# Altium PCB motordriver-v5.1.PcbDoc (part 5 of 8) (continued)
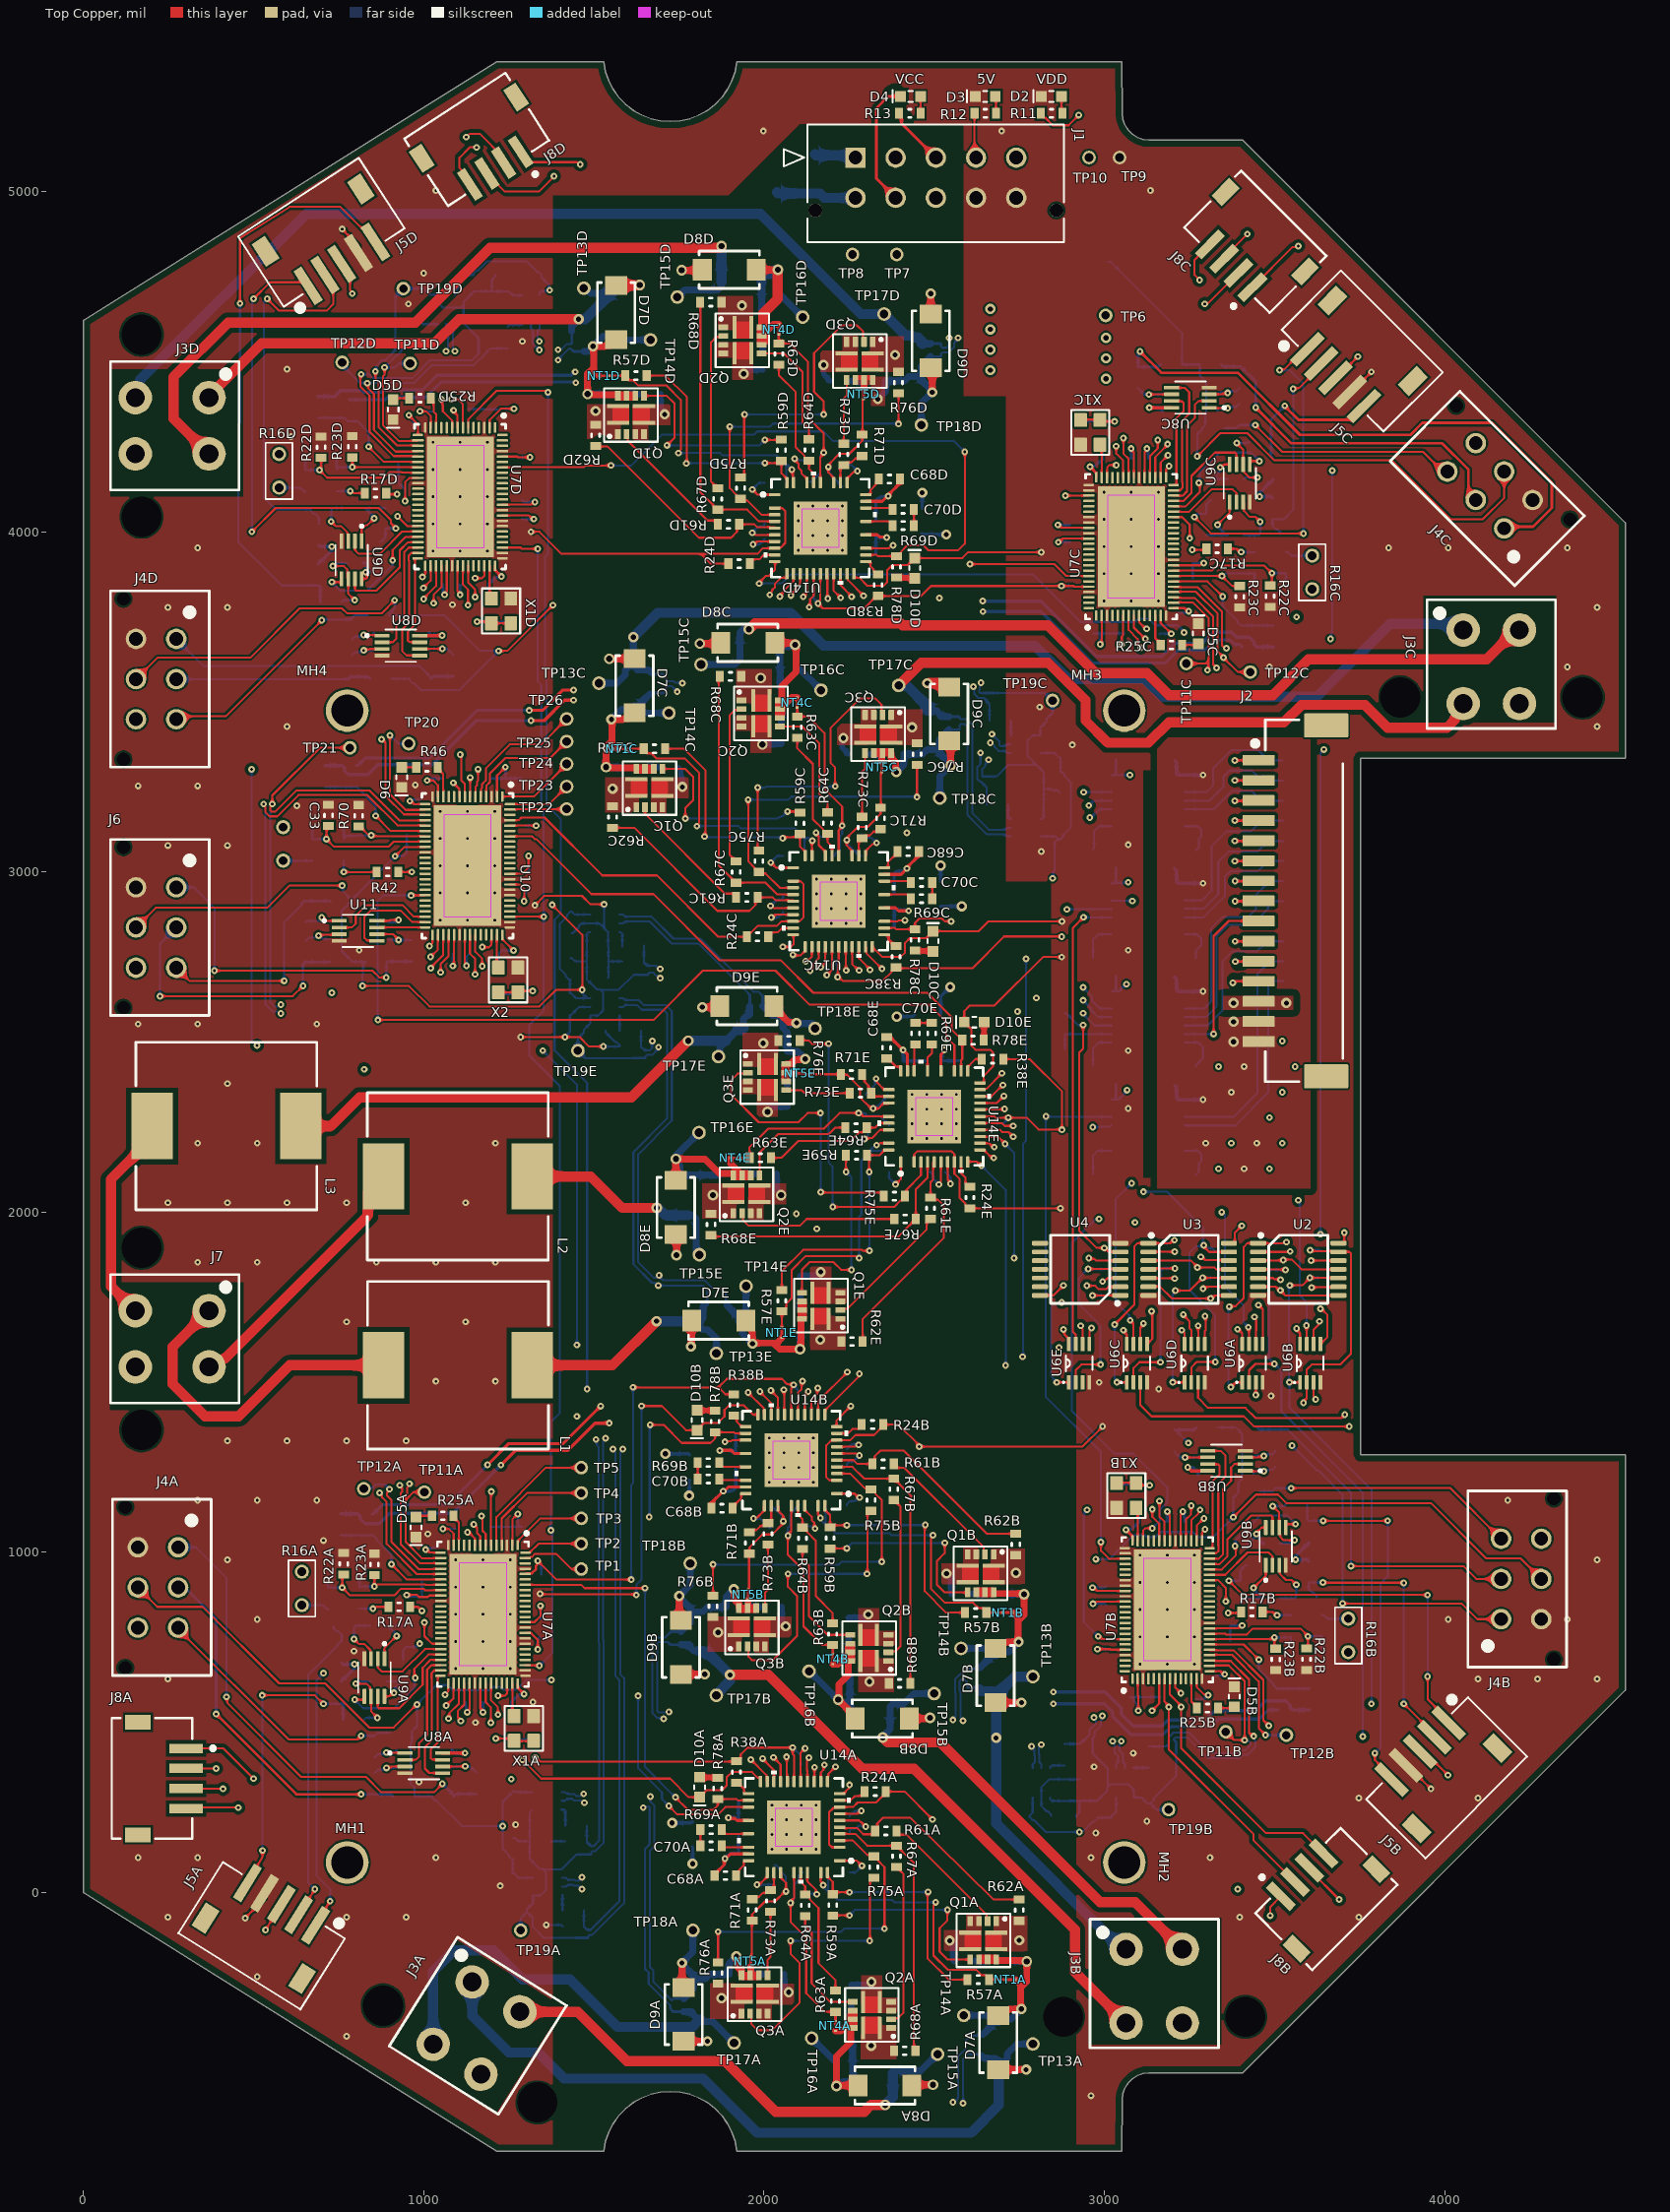
[diagram p0: Top Copper view]
## Nets (pads, with @x,y where several pads share a name; then routed paths per layer and width w, separated by ;. In a path a pad name is that pad's centre, name@x,y a point inside that pad or via, vN(x,y) a via of type N, cw(c..) or ccw(c..) an arc to the next point about the centre after c; other vN are vias at no path point) (continued)
LSWB: R75B.2 R76B.2 U14B.3 | length 940
  Top Copper w6: R76B.2@1850,872.99 1850.12,873.11 v1(1850.12,964.81) ; U14B.3@2214.04,1231.77 2253.15,1231.77 2295.71,1189.22 2314.65,1189.22 2318.59,1185.28 2326.9,1176.97 2326.9,1173.03 2346.15,1153.78 v1(2346.15,972.68)
  Bottom Copper w6: v1(1850.12,964.81) 1851.26,963.66 2219.02,963.66 2228.04,972.68 v1(2346.15,972.68)
LSWC: R75C.2 R76C.2 U14C.3 | length 942.9
  Top Copper w6: v1(1953.47,3212.52) 1953.47,3031.41 1972.73,3012.16 1972.73,3008.22 1981.03,2999.92 1984.98,2995.98 2003.92,2995.98 2046.47,2953.42 U14C.3@2085.59,2953.42 ; v1(2449.51,3220.39) 2449.51,3314.51 R76C.2@2450,3315
  Bottom Copper w6: v1(1953.47,3212.52) 2071.58,3212.52 2080.6,3221.53 2448.36,3221.53 v1(2449.51,3220.39)
LSWD: R75D.2 R76D.2 U14D.3 | length 938.2
  Top Copper w6: v1(1899.37,4309.2) 1899.37,4128.1 1918.62,4108.84 1918.62,4104.91 1926.93,4096.6 1930.87,4092.66 1949.81,4092.66 1992.36,4050.1 U14D.3@2031.48,4050.1 ; R76D.2@2395,4407.01 2395.4,4406.61 v1(2395.4,4317.07)
  Bottom Copper w6: v1(1899.37,4309.2) 2017.48,4309.2 2026.49,4318.21 2394.26,4318.21 v1(2395.4,4317.07)
LSWE: R75E.2 R76E.2 U14E.3 | length 921.4
  Top Copper w6: R76E.2@2105,2505 2131.26,2505 2141.26,2495 v1(2190,2495) ; v1(2201.86,2015.45) 2382.96,2015.45 2402.21,2034.7 2406.15,2034.7 2414.46,2043.01 2418.4,2046.95 2418.4,2065.89 2460.95,2108.44 U14E.3@2460.95,2147.56
  Bottom Copper w6: v1(2190,2495) 2190,2145.41 2201.86,2133.56 v1(2201.86,2015.45)
MISO: J2.9 U5A.6 | length 523.2
  Top Copper w6: v1(3321.26,2523.74) 3321.26,2811.26 3366,2856 J2.9@3453.18,2856
  Bottom Copper w6: U5A.6@3236.06,2523.74 v1(3321.26,2523.74)
MISO_CTRL0: U2.2 U7A.9 | length 3495.2
  Top Copper w6: v1(1128.58,1059.36) 1131.2,1056.74 1135.15,1056.74 1150.29,1041.6 1150.29,1021.11 U7A.9@1150.45,1020.95 ; U2.2@3451.88,1883.25 3535.63,1883.25 3535.99,1883.61 3545.08,1883.61 v1(3546.1,1884.63)
  Signal Layer 2 w6: v1(1128.58,1059.36) 1289.54,1059.36 1367.3,1137.13 2925.48,1137.13 2928.61,1140.26 2963.15,1174.8 3449.8,1174.8 3650,1375 3650,1580 3659,1589 3659,1724.65 3644.57,1739.08 3510.79,1739.08 3494.68,1755.19 3494.68,1860.6 3520.31,1886.23 3544.5,1886.23 v1(3546.1,1884.63)
MISO_CTRL1: U2.9 U7B.9 | length 1581.1
  Top Copper w6: U7B.9@3208.53,629 3208.53,602.72 v1(3224.94,586.31) ; v1(3609.26,1777.97) 3610.71,1779.43 3686.64,1779.43 U2.9@3688.1,1780.89
  Signal Layer 2 w6: v1(3224.94,586.31) 3266.31,586.31 3305,625 3305,996.25 3668.15,1359.4 3668.15,1551.77 3674.5,1558.12 3674.5,1750.5 3646.67,1778.33 3609.61,1778.33 v1(3609.26,1777.97)
MISO_CTRL2: U3.2 U7C.9 | length 3005.4
  Top Copper w6: U7C.9@3102.53,3753.9 3102.69,3753.73 3102.69,3733.24 3120.94,3715 v1@3124.2,3715 ; U3.2@3129.88,1883.25 3130.17,1883.54 3206.82,1883.54 v1(3207.11,1883.83)
  Signal Layer 2 w6: v1(3124.4,3715) 3161.94,3715 3173.91,3726.97 3659.68,3726.97 3688.84,3697.8 3688.84,2023.84 3630,1965 3455,1965 3426.53,1936.53 3388.47,1936.53 3380,1945 3195,1945 3175,1925 3175,1905 3183.94,1896.06 3192.69,1896.06 3204.92,1883.83 v1(3207.11,1883.83)
MISO_CTRL3: U3.9 U7D.9 | length 5116
  Top Copper w6: v1(1052.03,4389.39) 1054.65,4386.77 1054.65,4380.28 1054.78,4380.15 1054.78,4373.79 1056.16,4372.41 1056.16,4354 1083.61,4326.55 1083.61,4306.11 U7D.9@1083.45,4305.95 ; v1(3290,1775) 3295.89,1780.89 U3.9@3366.1,1780.89
  Signal Layer 1 w6: v1(1052.03,4389.39) 1011.83,4349.19 1011.83,4338.81 810.6,4137.58 810.6,4112.96 779,4081.35 779,4011 852.42,3937.58 852.42,3212.42 823.07,3183.07 823.07,2796.93 845,2775 845,2675 855,2665 855,2608.01 825,2578.01 v1(825,2420) 1300.5,1944.5 1868.58,1944.5 1900.18,1912.9 2357.1,1912.9 2565,1705 2975,1705 3016.19,1746.19 3217.71,1746.19 3246.52,1775 v1(3290,1775)
MISO_CTRL4: U4.2 U10.9 | length 3450.8
  Top Copper w6: v1(1086.92,3261.81) 1104.73,3244 1104.73,3221.27 U10.9@1104.89,3221.11 ; v1(2948.41,1783.89) 2973.16,1783.89 2983.42,1773.63 3004.46,1773.63 3011.71,1780.89 U4.2@3047.1,1780.89
  Signal Layer 1 w6: v1(1086.92,3261.81) 1085.92,3262.81 1047.81,3262.81 890,3105 890,2790 920,2760 920,2574.62 905.38,2560 905.38,2409.62 1355,1960 1875,1960 1906.6,1928.4 2386.6,1928.4 2552.77,1762.23 2890.29,1762.23 2911.95,1783.89 v1(2948.41,1783.89)
MISO_DRV0: U2.5 U14A.13 | length 3381.1
  Top Copper w6: U14A.13@2147.11,326.26 2147.91,327.06 2147.91,367.7 v1(2148.7,368.5) ; U2.5@3451.88,1806.48 3496.12,1806.48 3499.12,1803.48 3515.95,1803.48 v1(3517.96,1801.47)
  Signal Layer 2 w6: v1(2148.7,368.5) 2148.34,368.14 2148.34,346.66 2160,335 2227.02,335 2237.02,345 3478.81,345 3617.02,483.21 3753.21,483.21 3810,540 3810,1196.9 3683.65,1323.25 3683.65,1545.35 3690,1551.7 3690,1775 3634.97,1830.03 3570.03,1830.03 3547.43,1807.43 3535.31,1807.43 3531.97,1804.09 3520.58,1804.09 v1(3517.96,1801.47)
MISO_DRV1: U2.12 U14B.13 | length 1904.2
  Top Copper w6: U14B.13@2139.24,1405 2139.24,1449.24 2156.23,1466.23 2156.23,1481.23 v1(2157.89,1482.89) ; v1(3607.66,1857.66) U2.12@3688.1,1857.66
  Signal Layer 1 w6: v1(2157.89,1482.89) 2171.22,1469.56 2175.44,1469.56 2205,1440 2232.7,1440 2245.54,1452.84 2264.46,1452.84 2277.3,1440 3284.27,1440 3465.11,1620.84 3484.43,1620.84 3632.36,1768.77 3632.36,1832.96 v1(3607.66,1857.66)
MISO_DRV2: U3.5 U14C.13 | length 2126.9
  Top Copper w6: v1(2135.62,2709.14) 2135.62,2712.84 2143.95,2721.17 2143.95,2729.66 2160.39,2746.1 U14C.13@2160.39,2780.19 ; U3.5@3129.88,1806.48 3130.25,1806.1 3205.82,1806.1 v1(3206.77,1805.15)
  Signal Layer 1 w6: v1(2155,1951.24) 2403.76,1951.24 2546.26,1808.74 2964.51,1808.74 2978.09,1822.33 3007.67,1822.33 3024.85,1805.15 v1(3206.77,1805.15)
  Signal Layer 2 w6: v1(2135.62,2709.14) 2135.62,2634.38 2225,2545 2225,2460 2130,2365 2130,1976.24 v1(2155,1951.24)
MISO_DRV3: U3.12 U14D.13 | length 3709.9
  Top Copper w6: v1(2079.22,3812.95) 2079.22,3816.65 2090.6,3828.03 2090.6,3832.45 2106.28,3848.13 U14D.13@2106.28,3876.88 ; v1(3283.79,1868.93) 3287.49,1868.93 3296.85,1859.57 3364.19,1859.57 U3.12@3366.1,1857.66
  Signal Layer 1 w6: v1@2077.5,3811.23 v1(2079.22,3812.95) ; v1(2095,1995) 2115,1975 2480,1975 2510,1945 3211.26,1945 3283.79,1872.48 v1(3283.79,1868.93)
  Signal Layer 2 w6: v1(2079.22,3812.95) 2048.45,3843.71 2013.61,3843.71 1994.28,3824.38 1994.28,3824.28 1990,3820 1900,3820 1665,3585 1665,3450 1920,3195 1920,2325 2095,2150 v1(2095,1995)
MISO_DRV4: U4.5 U14E.13 | length 745.6
  Top Copper w6: U14E.13@2634.18,2222.36 2635.06,2221.48 2688.52,2221.48 2708.51,2201.49 v1(2708.51,2200.84) ; v1(2954.11,1865.21) 2956.73,1862.59 2971.02,1862.59 2975.95,1857.66 U4.5@3047.1,1857.66
  Signal Layer 1 w6: v1(2734.79,1865.21) v1(2954.11,1865.21)
  Bottom Copper w6: v1(2708.51,2200.84) 2734.79,2174.56 v1(2734.79,1865.21)
MISO_FILTER: C52C.2 R77C.1 U5A.11 | length 181.7
  Bottom Copper w6: C52C.2@2884,2478.5 R77C.1@2884,2522.01 2885.73,2523.74 U5A.11@3021.5,2523.74
MISO_ISO: J8A.3 J8B.3 J8C.3 J8D.3 R77C.2 U2.3 U2.6 U2.8 U2.11 U3.3 U3.6 U3.8 U3.11 U4.3 U4.6 | length 14973.8
  Top Copper w6: J8A.3@301.73,305.83 302.56,305 v1(410,305) ; J8D.3@1185.47,5052.84 1185.82,5052.84 1238.66,5000 1337.82,5000 v1(1382.82,5045) ; v1(2937.84,2550) 2937.84,2481.21 2926.16,2469.52 2926.16,1945.84 2977,1895 v1(3000,1895) 3001.1,1895 3012.81,1883.29 U4.6@3047.1,1883.25 U4.6@3047.1,1883.25 ; v1(2995,1796.48) 2998.7,1796.48 3005.04,1802.81 3005.89,1802.81 3009.56,1806.48 U4.3@3047.1,1806.48 ; U3.6@3129.88,1780.89 3130.99,1782 3163,1782 3198.64,1746.36 v1(3312.29,1746.36) 3316.27,1746.36 3325.21,1755.3 U3.8@3366.1,1755.3 ; U3.3@3129.88,1857.66 3254.65,1857.66 3258.62,1853.69 3273.58,1838.73 v1(3273.58,1837.75) 3274.33,1837 3323.85,1837 3328.79,1832.07 U3.11@3366.1,1832.07 ; J8C.3@3351.98,4802.58 3351.98,4806.98 v1(3420,4875) ; U2.6@3451.88,1780.89 3503.43,1780.89 3513.82,1770.5 v1@3516.5,1770.5 ; U2.3@3451.88,1857.66 3452.66,1858.44 3524.83,1858.44 v1(3525.61,1859.22) 3527.39,1861 3550,1861 3578.93,1832.07 U2.11@3688.1,1832.07 ; v1(3517.52,1770.5) v1@3516.5,1770.5 ; J8B.3@3602.58,73.02 3602.58,67.42 v1(3690,-20) ; U2.8@3688.1,1755.3 3618.88,1755.3 3618.72,1755.13 3531.87,1755.13 v1@3516.5,1770.5
  Signal Layer 1 w6: v1(410,305) 515,305 610,210 830,210 1275,-235 1495,-235 1565,-305 1800,-305 1865,-370 1920,-370 2060,-510 2545,-510 2620,-585 2845,-585 2960,-470 2960,-335 3035,-260 3450,-260 v1(3690,-20) 3690,515 3790,615 3790,1125 3665,1250 3665,2070 ; v1(1382.82,5045) 1790,5045 1980,5235 2740,5235 2945,5030 3265,5030 v1(3420,4875) 3420,4655 3740,4335 3740,3690 3690,3640 3690,2095 3665,2070 ; v1(3000,1895) 3042.4,1852.6 3177.6,1852.6 3185,1860 3235,1860 3258.16,1836.84 3272.67,1836.84 v1(3273.58,1837.75) 3274.49,1836.84 3297.16,1836.84 3314,1820 3314,1748.06 v1(3312.29,1746.36) ; 3297.16,1837 3500,1837 ; v1(3517.52,1770.5) 3516.5,1770.5 3490,1797 3490,1827 3500,1837 ; 3500,1837 3522.22,1859.22 v1(3525.61,1859.22) 3564.22,1859.22 3575,1870 3575,1980 3665,2070
  Signal Layer 2 w6: v1(2995,1796.48) 2995,1800.18 3000,1805.18 v1(3000,1895)
  Bottom Copper w6: R77C.2@2884,2585 2887.94,2585 2922.94,2550 v1(2937.84,2550)
MOSI: J2.10 R77B.2 | length 103.9
  Top Copper w6: v1(3384.07,2796.07) 3452.3,2796.07 J2.10@3453.18,2796.95
  Bottom Copper w6: v1(3384.07,2796.07) R77B.2@3418.49,2796.07
MOSI_FILTER: C52B.2 R77B.1 U5A.5 | length 478.6
  Bottom Copper w6: U5A.5@3236.06,2548.74 3303.74,2548.74 3347.03,2592.03 3347.03,2737.03 3376.73,2766.73 3448.08,2766.73 3464.67,2783.32 3472.68,2783.32 3481.49,2792.13 R77B.1@3481.49,2796.07 C52B.2@3525,2796.07
MOSI_ISO: J8A.4 J8B.4 J8C.4 J8D.4 U5A.12 U7A.8 U7B.8 U7C.8 U7D.8 U10.8 U14A.12 U14B.12 U14C.12 U14D.12 U14E.12 | length 16823.7
  Top Copper w6: J8A.4@301.73,246.77 304.96,250 v1(455,250) ; v1(1087.6,4357.08) 1087.6,4353.63 1099.19,4342.03 U7D.8@1099.19,4305.95 ; v1(1107.16,3345) 1109.78,3342.38 1109.78,3334.87 1110,3334.64 1110,3270 1120.64,3259.36 U10.8@1120.64,3221.11 ; J8D.4@1135.94,5020.67 1135.94,5038.67 1105,5069.61 1105,5100 1135,5130 v1(1155,5130) ; v1(1146.99,1082.65) 1146.99,1082.18 1156.88,1072.29 1156.88,1057.05 1166.19,1047.74 U7A.8@1166.19,1020.95 ; v1(2046.35,3809.76) 2046.35,3812.39 2059.34,3825.37 2059.34,3827.66 2086.6,3854.92 U14D.12@2086.6,3876.88 ; v1(2122.53,2737.6) 2126.23,2737.6 2131.25,2742.62 2132.16,2742.62 2140.61,2751.07 2140.61,2780.1 U14C.12@2140.7,2780.19 ; U14B.12@2158.92,1405 2159.02,1405.1 2159.02,1444.02 v1(2245,1530) ; U14A.12@2166.8,326.26 2166.89,326.36 2166.89,353.16 2174.9,361.17 2174.9,373 v1(2177.52,375.62) ; U14E.12@2634.18,2202.67 2634.28,2202.58 2661.44,2202.58 2672.73,2191.29 v1(2676.44,2191.29) ; U7C.8@3086.79,3753.9 3086.79,3718.55 3120.25,3685.09 v1(3120.87,3685.09) ; U7B.8@3192.79,629 3192.79,581.8 3225.7,548.89 v1(3225.7,545.4) 3225.7,424.3 3475,175 3584.12,175 J8B.4@3644.34,114.78 ; v1(3280,4740) 3265,4755 3265,4799.12 J8C.4@3310.22,4844.34
  Signal Layer 1 w6: v1@1146.83,1082.45 1219.28,1010 1355,1010 1400.6,964.4 1400.6,529.4 1460,470 2108.08,470 2161.5,416.58 2161.5,388.5 2174.38,375.62 v1(2177.52,375.62) ; v1(1146.99,1082.65) 1146.83,1082.8 1146.83,1116.83 1160,1130 1225,1130 1380,1285 1515,1285 1525,1275 1619.83,1275 1807.06,1462.23 1875.34,1462.23 1958.61,1545.5 2149.5,1545.5 2195,1500 2215,1500 v1(2245,1530) ; v1(1155,5130) 1155,4953.34 1150,4948.34 1150,4775.39 1155,4770.39 1155,4424.48 v1(1087.6,4357.08) 1034.71,4304.19 1021.05,4304.19 843.44,4126.57 843.44,4093.44 810,4060 810,4026.08 885,3951.08 885,3755 895,3745 895,3738.77 896.14,3737.64 896.14,3533.86 1085,3345 v1(1107.16,3345) 1109.78,3347.62 1109.78,3355.13 1110,3355.36 1110,3463.35 1447.65,3801 1970.9,3801 2009.9,3840 2027.25,3840 2043.74,3823.51 2043.74,3812.38 v1(2046.35,3809.76) ; v1@2175,375 2177.03,372.97 2177.03,356.16 2193.69,339.5 2868.32,339.5 3013.32,484.5 3164.8,484.5 v1(3225.7,545.4) ; v1(2745,2590) 2803.7,2590 2808.7,2585 2926.52,2585 2928.92,2587.4 2928.92,2588.92 v1@2936.76,2588.92 ; v1(2937.84,2585) 2937.84,2587.84 v1@2936.76,2588.92 ; v1(3280,4740) 3330,4690 3330,4220 3317.98,4207.98 3317.98,4197.98 3295,4175 3270,4175 3247.5,4152.5 3247.5,4117.5 3225,4095 3225,3765 3145.09,3685.09 v1(3120.87,3685.09) 3132.11,3673.85 3132.11,3647.11 3100,3615 3075,3615 2977.92,3517.92 2977.92,3225.7 2995.84,3207.78 2995.84,2648 v1@2936.76,2588.92
  Signal Layer 2 w6: v1(455,250) 455,335 490,370 490,661.65 482.3,669.35 482.3,1057.3 520,1095 1134.64,1095 v1(1146.99,1082.65) ; v1(2046.35,3809.76) 2046.35,3778.65 2080,3745 2620,3745 2719.32,3645.68 3060.05,3645.68 3099.37,3685 3120.78,3685 v1(3120.87,3685.09) ; v1(2122.53,2737.6) 2122.91,2737.22 2140.57,2737.22 2148.99,2745.65 2640.35,2745.65 2745,2640.99 v1(2745,2590) 2775,2560 2775,2220 2732.49,2177.49 2693.93,2177.49 2680.14,2191.29 v1@2677.6,2191.29 ; v1(2245,1530) 2615,1900 2615,2155 2654.59,2194.59 2660.59,2194.59 2661.28,2193.9 2673.82,2193.9 v1(2676.44,2191.29)
  Bottom Copper w6: v1(2937.84,2585) 2937.84,2582.3 2971.41,2548.74 U5A.12@3021.5,2548.74
MOTOR_TEMPA: C7A.2 R20A.2 R22A.1 U7A.22 | length 426.4
  Top Copper w6: R22A.1@765,935 760.49,930.49 v1(760.49,896.56) 782.99,874.07 914.07,874.07 933.34,893.34 999.63,893.34 1003.91,889.06 U7A.22@1050.05,889.06
  Bottom Copper w6: C7A.2@718.99,932.57 R20A.2@718.99,896.56 v1(760.49,896.56)
MOTOR_TEMPB: C7B.2 R20B.2 R22B.1 U7B.22 | length 422
  Top Copper w6: U7B.22@3308.93,760.89 3355.07,760.89 3357.08,758.88 3418.88,758.88 3435.88,775.88 3575.99,775.88 v1(3598.49,753.39) 3598.49,721.45 R22B.1@3594.42,717.38
  Bottom Copper w6: v1(3598.49,753.39) R20B.2@3639.99,753.39 C7B.2@3639.99,717.38
MOTOR_TEMPC: C7C.2 R20C.2 R22C.1 U7C.22 | length 425.3
  Top Copper w6: U7C.22@3202.93,3885.78 3315.78,3885.78 3330.78,3900.78 3469.99,3900.78 v1(3492.49,3878.28) 3492.49,3847.77 R22C.1@3487.99,3843.27 ; R22C.1@3485,3840 R22C.1@3486.99,3842.27 R22C.1@3487.99,3843.27 ; R22C.1@3486.99,3842.27 R22C.1@3487.99,3843.27
  Bottom Copper w6: v1(3492.49,3878.28) R20C.2@3533.99,3878.28 C7C.2@3533.99,3842.27
MOTOR_TEMPD: C7D.2 R20D.2 R22D.1 U7D.22 | length 423.3
  Top Copper w6: R22D.1@697.33,4216.14 R22D.1@698.33,4217.14 698.33,4190.1 693.49,4185.27 v1(693.49,4181.56) 715.99,4159.07 882.74,4159.07 899.74,4176.07 934.9,4176.07 936.91,4174.06 U7D.22@983.05,4174.06
  Bottom Copper w6: C7D.2@651.99,4217.57 R20D.2@651.99,4181.56 v1(693.49,4181.56)
MOTOR_THERMA: R16A.1 R20A.1 | length 81.7
  Bottom Copper w6: R16A.1@641.99,844.86 703.77,844.86 715.05,833.57 R20A.1@718.99,833.57
MOTOR_THERMB: R16B.1 R20B.1 | length 81.7
  Bottom Copper w6: R20B.1@3639.99,816.38 3643.93,816.38 3655.21,805.1 R16B.1@3716.99,805.1
MOTOR_THERMC: R16C.1 R20C.1 | length 81.7
  Bottom Copper w6: R20C.1@3533.99,3941.27 3537.93,3941.27 3549.21,3929.99 R16C.1@3610.99,3929.99
MOTOR_THERMD: R16D.1 R20D.1 | length 81.7
  Bottom Copper w6: R16D.1@574.99,4129.86 636.77,4129.86 648.05,4118.57 R20D.1@651.99,4118.57
MUX_SEL_0: J2.1 R77I.2 | length 104.7
  Top Copper w6: v1(3383.07,3328.07) 3452.8,3328.07 J2.1@3453.18,3328.44
  Bottom Copper w6: v1(3383.07,3328.07) R77I.2@3417.49,3328.07
MUX_SEL_1: J2.7 R77J.2 | length 104
  Top Copper w6: v1(3384.07,2973.07) 3452.13,2973.07 J2.7@3453.18,2974.11
  Bottom Copper w6: v1(3384.07,2973.07) R77J.2@3418.49,2973.07
MUX_SEL_FILTER_0: C52I.2 R77I.1 U5B.3 | length 382.7
  Bottom Copper w6: U5B.3@3236.06,3234.74 3299.74,3234.74 3320,3255 3320,3305 3372.68,3357.69 3452.87,3357.69 3469.74,3340.82 3471.68,3340.82 3480.49,3332.01 R77I.1@3480.49,3328.07 C52I.2@3524,3328.07
MUX_SEL_FILTER_1: C52J.2 R77J.1 U5A.3 | length 597.2
  Bottom Copper w6: U5A.3@3236.06,2598.74 3293.74,2598.74 3313.31,2618.31 3313.31,2833.31 3348.21,2868.21 3423.21,2868.21 3445,2890 3445,2932.64 3481.49,2969.13 R77J.1@3481.49,2973.07 C52J.2@3525,2973.07
MUX_SEL_ISO_0: U5B.14 U6A.6 U6B.6 U6C.6 U6D.6 U6E.6 | length 2788.9
  Top Copper w6: v1(2930.31,1666) 2930.31,1662.3 2935.99,1656.62 U6E.6@2935.99,1612.07 ; U6C.6@3105.74,1612.07 3105.74,1659.77 3115,1669.03 v1(3115,1673) ; v1(3275.47,1666) 3275.74,1665.73 3275.74,1612.32 U6D.6@3275.49,1612.07 ; v1(3441,1692) 3441,1688.3 3446.24,1683.06 3446.24,1652.35 3445.24,1651.36 U6A.6@3445.24,1612.07 ; U6B.6@3614.99,1612.07 3614.99,1654.31 3629.38,1668.7 3629.38,1676.38 v1(3632,1679)
  Signal Layer 2 w6: v1(2930.31,1666) v1@2923,1666 ; v1(2939.26,3234.74) 2915,3210.48 2915,1965 2906.54,1956.54 2906.54,1713.46 2923,1697 v1@2923,1666 ; v1(3632,1679) 3628.03,1679 3615.03,1692 v1(3441,1692) 3438.89,1689.89 3413.89,1689.89 3402.91,1678.91 3378.91,1678.91 3366,1666 v1(3275.47,1666) 3250.43,1666 3240.22,1676.21 3125.36,1676.21 3124.76,1675.62 3117.62,1675.62 v1(3115,1673) 3115,1671.99 3105.74,1662.73 3105.74,1644.74 3088.87,1627.87 2957.34,1627.87 2923,1662.21 v1@2923,1666
  Bottom Copper w6: v1(2939.26,3234.74) U5B.14@3021.5,3234.74
MUX_SEL_ISO_1: U5A.14 U6A.5 U6B.5 U6C.5 U6D.5 U6E.5 | length 2366.6
  Top Copper w6: U6E.5@2955.99,1612.07 2955.99,1649.72 2962.41,1656.14 v1(2962.41,1659.84) ; U6C.5@3125.74,1612.07 3141,1627.33 3141,1707 v1(3139,1709) ; U6D.5@3295.49,1612.07 3295.49,1650.85 3298.32,1653.68 3298.32,1691.79 v1(3295.7,1694.41) ; v1(3453,1727) 3465.24,1714.76 U6A.5@3465.24,1612.07 ; U6B.5@3634.99,1612.07 3655.61,1632.69 3655.61,1698.36 3637.8,1716.18 v1(3635.17,1716.18)
  Signal Layer 2 w6: v1(2937.84,2660.93) 2960.68,2638.09 2960.68,2353.56 2943.27,2336.15 2943.27,1938.27 2925,1920 2925,1743.69 2962.41,1706.28 v1@2962.41,1664.41 ; v1(2962.41,1659.84) v1@2962.41,1664.41 ; v1(3635.17,1716.18) 3511.77,1716.18 3500.95,1727 v1(3453,1727) 3412,1727 3379.41,1694.41 v1(3295.7,1694.41) 3268.2,1721.9 3154.73,1721.9 3141.83,1709 v1(3139,1709) 3007,1709 2986.01,1688.01 2986.01,1687.82 2967.54,1669.35 2967.54,1668.68 2963.17,1664.31 2962.5,1664.31 v1@2962.41,1664.41
  Bottom Copper w6: v1(2937.84,2660.93) 2963.36,2635.41 2963.36,2621.64 2986.26,2598.74 U5A.14@3021.5,2598.74
NetD10A_1: D10A.1 R78A.2 | length 54
  Top Copper w15: D10A.1@1810.78,339.49 1811.74,338.53 1863.03,338.53 R78A.2@1863.99,337.56
NetD10B_1: D10B.1 R78B.2 | length 54
  Top Copper w15: D10B.1@1802.91,1418.23 1803.87,1417.27 1855.15,1417.27 R78B.2@1856.12,1416.3
NetD10C_1: D10C.1 R78C.2 | length 54
  Top Copper w15: R78C.2@2443.51,2768.89 2444.47,2767.93 2495.76,2767.93 D10C.1@2496.72,2766.97
NetD10D_1: D10D.1 R78D.2 | length 54
  Top Copper w15: R78D.2@2389.4,3865.57 2390.36,3864.61 2441.65,3864.61 D10D.1@2442.61,3863.65
NetD10E_1: D10E.1 R78E.2 | length 54
  Top Copper w15: R78E.2@2645.49,2505.48 2646.45,2506.44 2646.45,2557.73 D10E.1@2647.41,2558.69
OUT2E: U6E.3
OUT3D: U5D.12
OUT4B: U5B.6
OUT4C: U5C.6
OUT4D: U5D.6
PGND: C5A.1 C5B.1 C5C.1 C5D.1 C32.1 C60A.2 C60B.2 C60C.2 C60D.2 C60E.2 C61A.2 C61B.2 C61C.2 C61D.2 C61E.2 C65A.1 C65B.1 C65C.1 C65D.1 C65E.1 C66A.1 C66B.1 C66C.1 C66D.1 C66E.1 C67A.1 C67B.1 C67C.1 C67D.1 C67E.1 C72A.2 C72B.2 C72C.2 C72D.2 C72E.2 C73A.2 C73B.2 C73C.2 C73D.2 C73E.2 C74A.2 C74B.2 C74C.2 C74D.2 C74E.2 D1.1 D4.2 D7A.1 D7B.1 D7C.1 D7D.1 D7E.1 D8A.1 D8B.1 D8C.1 D8D.1 D8E.1 D9A.1 D9B.1 D9C.1 D9D.1 D9E.1 J1.6 J1.7 J1.8 Q1A.1 Q1A.11 Q1B.1 Q1B.11 Q1C.1 Q1C.11 Q1D.1 Q1D.11 Q1E.1 Q1E.11 Q2A.1 Q2A.11 Q2B.1 Q2B.11 Q2C.1 Q2C.11 Q2D.1 Q2D.11 Q2E.1 Q2E.11 Q3A.1 Q3A.11 Q3B.1 Q3B.11 Q3C.1 Q3C.11 Q3D.1 Q3D.11 Q3E.1 Q3E.11 R19A.2 R19B.2 R19C.2 R19D.2 R44.2 R62A.1 R62B.1 R62C.1 R62D.1 R62E.1 R68A.1 R68B.1 R68C.1 R68D.1 R68E.1 R76A.1 R76B.1 R76C.1 R76D.1 R76E.1 TP7.1 U14A.38 U14B.38 U14C.38 U14D.38 U14E.38 | length 6362.9
  Top Copper w9: J1.7@2386.84,4981.61 2330,5038.45 2330,5245 2365,5280 D4.2@2400.94,5280
  Top Copper w10: v1(1226.8,1256.8) 1270,1300 1423.28,1300 1503.28,1380 v1(1545,1380) ; v1(1315,3445) 1353.81,3445 1413.81,3505 v1(1440,3505)
  Top Copper w20: v4(1545.27,3626.72) D7C.1@1619.51,3626.72 ; D8E.1@1740.83,1934.74 1742.99,1932.58 v4(1742.99,1873.48) ; D9B.1@1755.6,641.38 1755.81,641.59 1825.9,641.59 v3(1826.12,641.81) ; v4(1757.75,4768.42) 1816.85,4768.42 D8D.1@1818.66,4770.22 ; D9A.1@1763.47,-437.36 1763.69,-437.15 1833.77,-437.15 v3(1833.99,-436.93) ; v3(1785,1605) 1786.33,1606.33 1786.33,1680.15 D7E.1@1787.66,1681.48 ; v4(1811.51,3671.39) 1870.61,3671.39 D8C.1@1872.77,3673.54 ; v3(1818.46,2602.54) 1867.11,2602.54 D9E.1@1870.56,2606 ; D8B.1@2426.86,511.65 2485.96,511.65 v4(2488.12,513.81) ; D8A.1@2434.73,-567.09 2436.89,-564.93 v4(2495.99,-564.93) ; D9D.1@2489.92,4640.5 2490,4640.58 v3(2490,4700) ; D7B.1@2680.12,558.48 v3(2756.52,558.48) ; D7A.1@2687.99,-520.26 v3(2770.26,-520.26)
  Top Copper w30: D7D.1@1565.4,4723.4 1566.72,4724.71 1634.71,4724.71 v4(1635,4725) ; v3(2480,3555) 2532.84,3555 D9C.1@2544.03,3543.82
  Bottom Copper w10: R19D.2@688.99,4398.06 C5D.1@734.99,4398.06 738.93,4398.06 745.74,4404.87 745.74,4405.72 754.82,4414.8 820.1,4414.8 824.9,4410 876.88,4410 883.89,4417.01 995.88,4417.01 1038.88,4460 1433.14,4460 1443.14,4470 v1(1445,4470) ; R44.2@709.8,3313.22 C32.1@755.8,3313.22 759.74,3313.22 766.55,3306.41 766.55,3298.45 778.59,3286.41 836.41,3286.41 865,3315 1025,3315 1155,3445 v1(1315,3445) ; R19A.2@755.99,1113.06 C5A.1@801.99,1113.06 805.93,1113.06 812.74,1106.25 812.74,1099.54 827.28,1085 870,1085 900,1115 1085,1115 v1(1226.8,1256.8) ; v3(1710.12,1289.81) 1778.54,1289.81 C65B.1@1781.23,1287.12 ; v3(1730,205) 1785.72,205 C65A.1@1789.1,208.38 ; C65D.1@2464.29,3994.75 2466.97,3992.07 v3(2535.4,3992.07) ; C65E.1@2516.3,2580.37 2518.99,2583.05 2518.99,2633.99 v3(2546.97,2661.97) ; C65C.1@2518.4,2898.07 2519.49,2899.17 v3(2580.95,2899.17) ; v1(2642.57,3796.28) 2813.72,3796.28 2976.01,3633.99 3168.99,3633.99 3207.13,3672.13 3287.13,3672.13 3320,3705 3374,3705 3389,3690 3425.55,3690 3440.24,3675.3 3440.24,3668.6 3447.05,3661.78 C5C.1@3450.99,3661.78 R19C.2@3496.99,3661.78 ; v1(2850.5,589.59) 2850.91,590 3002.58,590 3050,542.58 3050,524.81 3084.81,490 3170.07,490 3187.51,507.44 3297.44,507.44 3325,535 3445,535 3473.7,563.7 3532.95,563.7 3546.24,550.41 3546.24,543.7 3553.05,536.89 C5B.1@3556.99,536.89 R19B.2@3602.99,536.89
  Bottom Copper w30: D1.1@2037.81,4997.81 2041.15,4994.47 2164.51,4994.47 2177.36,4981.61 J1.6@2268.73,4981.61
  other v2: 2023.09,127.44 2066.4,127.44 2109.71,127.44 2153.02,127.44 2023.09,170.75 2066.4,170.75 2109.71,170.75 2153.02,170.75 2023.09,214.05 2066.4,214.05 2109.71,214.05 2153.02,214.05 2023.09,257.36 2066.4,257.36 2109.71,257.36 2153.02,257.36 2015.22,1206.18 2058.53,1206.18 2101.83,1206.18 2145.14,1206.18 2015.22,1249.49 2058.53,1249.49 2101.83,1249.49 2145.14,1249.49 2015.22,1292.79 2058.53,1292.79 2101.83,1292.79 2145.14,1292.79 2015.22,1336.1 2058.53,1336.1 2101.83,1336.1 2145.14,1336.1 2435.36,2216.45 2478.67,2216.45 2521.98,2216.45 2565.28,2216.45 2435.36,2259.76 2478.67,2259.76 2521.98,2259.76 2565.28,2259.76 2435.36,2303.07 2478.67,2303.07 2521.98,2303.07 2565.28,2303.07 2435.36,2346.38 2478.67,2346.38 2521.98,2346.38 2565.28,2346.38 2154.48,2849.09 2197.79,2849.09 2241.1,2849.09 2284.4,2849.09 2154.48,2892.4 2197.79,2892.4 2241.1,2892.4 2284.4,2892.4 2154.48,2935.71 2197.79,2935.71 2241.1,2935.71 2284.4,2935.71 2154.48,2979.01 2197.79,2979.01 2241.1,2979.01 2284.4,2979.01 2100.38,3945.77 2143.68,3945.77 2186.99,3945.77 2230.3,3945.77 2100.38,3989.08 2143.68,3989.08 2186.99,3989.08 2230.3,3989.08 2100.38,4032.39 2143.68,4032.39 2186.99,4032.39 2230.3,4032.39 2100.38,4075.7 2143.68,4075.7 2186.99,4075.7 2230.3,4075.7
  other v3: 2315,-450 1875,-310 2750,-140 2310,620 1865,765 2740,940 2165,1625 1997.54,2496.76 1555,3245 2435,3425 1505,4355 2385,4520 1935,4665
  other v4: 1850,2050 1990,3570
SCK: J2.8 R77A.2 | length 103.9
  Top Copper w6: v1(3384.07,2914.07) 3452.19,2914.07 J2.8@3453.18,2915.06
  Bottom Copper w6: v1(3384.07,2914.07) R77A.2@3418.49,2914.07
SCK_FILTER: C52A.2 R77A.1 U5A.4 | length 564.4
  Bottom Copper w6: U5A.4@3236.06,2573.74 3298.74,2573.74 3330,2605 3330,2812.04 3363.15,2845.19 3435.19,2845.19 3481.49,2891.49 R77A.1@3481.49,2914.07 C52A.2@3525,2914.07
SCK_ISO: J8A.2 J8B.2 J8C.2 J8D.2 U5A.13 U7A.7 U7B.7 U7C.7 U7D.7 U10.7 U14A.11 U14B.11 U14C.11 U14D.11 U14E.11 | length 16580.4
  Top Copper w6: J8A.2@301.73,364.88 301.85,365 v1(390,365) ; v1(1081.71,4390) 1100,4390 1115.31,4374.69 1115.31,4327.2 1114.94,4326.83 U7D.7@1114.94,4305.95 ; v1(1125,5160) 1125.36,5160 1135.36,5170 1165,5170 1235,5100 J8D.2@1235,5085 ; U10.7@1136.38,3221.11 1136.38,3277.4 v1(1136.58,3277.59) ; v1(1169.67,1107.16) 1172.29,1104.54 1172.29,1097.25 1172.74,1096.8 1172.74,1063.55 1181.94,1054.35 U7A.7@1181.94,1020.95 ; v1(2017.12,3814.92) 2017.12,3818.62 2023.44,3824.94 2023.44,3828.44 2031.46,3836.46 2031.46,3846.46 2050.1,3865.1 2064.49,3865.1 2066.91,3867.53 U14D.11@2066.91,3876.88 ; v1(2085.08,2756.75) 2087.54,2754.29 2106.92,2754.29 2121.02,2768.38 U14C.11@2121.02,2780.19 ; U14B.11@2178.61,1405 2178.61,1416.81 2277.19,1515.39 2277.19,1522.19 v1(2280,1525) ; U14A.11@2186.48,326.26 2186.48,338.07 2188.9,340.49 2188.9,348.9 v1(2210,370) ; U14E.11@2634.18,2182.99 2645.99,2182.99 2666.73,2162.25 2672.36,2162.25 v1(2674.98,2159.63) ; U7C.7@3071.04,3753.9 3071.04,3711.41 3098.02,3684.43 3098.02,3671.35 3106.84,3662.54 v1(3106.84,3658.84) ; U7B.7@3177.04,629 3177.04,561.4 3189.4,549.03 v1(3189.4,545.33) 3189.4,420.6 3438.82,171.18 3438.82,153.26 J8B.2@3560.82,31.26 ; v1(3295,4670) 3297.62,4672.62 3305.53,4672.62 J8C.2@3393.74,4760.82
  Signal Layer 1 w6: v1(1125,5160) 1125,4490 1081.71,4446.71 v1(1081.71,4390) 1081.71,4386.77 826.7,4131.76 826.7,4106.7 794.5,4074.5 794.5,4018.44 868.64,3944.3 868.64,3743.22 880.64,3731.22 880.64,3515.76 1002.96,3393.43 1002.96,3378.07 1103.45,3277.59 v1(1136.58,3277.59) 1136.58,3360.05 1130,3366.63 1130,3455 1460,3785 1987.2,3785 v1(2017.12,3814.92) ; v1(1169.67,1107.16) 1202.84,1107.16 1240,1070 1280,1070 1295,1055 ; v1(2280,1525) 2280,1523.7 2237.45,1481.16 2191.92,1481.16 2143.08,1530 1968.57,1530 1882.79,1444.23 1815.56,1444.23 1586.33,1215 1425,1215 1295,1085 1295,1055 ; v1(2800,2630) 2803.7,2630 2810.82,2622.88 v1@2932.09,2622.88 ; v1(2937.84,2622.88) v1@2932.09,2622.88 ; v1(3189.4,545.33) 3144.07,500 3006.9,500 2861.9,355 2225.89,355 2210.89,370 v1(2210,370) 2210,373.7 2200.36,383.34 2200.36,385.08 2177,408.45 2177,423 2112,488 1477.46,488 1420,545.46 1420,973.56 1348.56,1045 1305,1045 1295,1055 ; v1(3295,4670) 3295,4285 3245,4235 3245,4185 3200,4140 3200,3780 3175,3755 3115,3755 3090,3730 3090,3675.67 v1(3106.84,3658.84) 3105.09,3657.09 3086.13,3657.09 3024.26,3595.22 2962.1,3533.06 2962.1,3219.6 2980.34,3201.36 2980.34,2671.13 v1@2932.09,2622.88
  Signal Layer 2 w6: v1(390,365) 390,460 456.19,526.19 456.19,1081.19 500,1125 1151.83,1125 v1(1169.67,1107.16) ; v1(2017.12,3814.92) 2015,3812.8 2015,3770 2065,3720 2605,3720 2695.89,3629.11 3065.95,3629.11 3093.94,3657.09 3105.09,3657.09 v1(3106.84,3658.84) ; v1(2085.08,2756.75) 2087.7,2754.13 2097.9,2754.13 2105.03,2761.26 2668.74,2761.26 v1(2800,2630) 2800,2200 2760,2160 v1@2675,2160 ; v1(2280,1525) 2675,1920 v1(2674.98,2159.63)
  Bottom Copper w6: v1(2937.84,2622.88) 2960.94,2599.79 2960.94,2594.21 2981.41,2573.74 U5A.13@3021.5,2573.74
SNUB1A: C59A.1 R58A.2 | length 39.4
  Bottom Copper w20: R58A.2@2621.74,-200.55 C59A.1@2661.11,-200.55
SNUB1B: C59B.1 R58B.2 | length 39.4
  Bottom Copper w20: R58B.2@2613.87,878.19 C59B.1@2653.24,878.19
SNUB1C: C59C.1 R58C.2 | length 39.4
  Bottom Copper w20: C59C.1@1646.39,3307.01 R58C.2@1685.76,3307.01
SNUB1D: C59D.1 R58D.2 | length 39.4
  Bottom Copper w20: C59D.1@1592.28,4403.69 R58D.2@1631.65,4403.69
SNUB1E: C59E.1 R58E.2 | length 39.4
  Bottom Copper w20: C59E.1@2107.37,1708.36 R58E.2@2107.37,1747.73
SNUB2A: C64A.1 R65A.2 | length 39.4
  Bottom Copper w20: C64A.1@2256.98,-374.17 R65A.2@2256.98,-334.8
SNUB2B: C64B.1 R65B.2 | length 39.4
  Bottom Copper w20: C64B.1@2249.1,704.57 R65B.2@2249.1,743.94
SNUB2C: C64C.1 R65C.2 | length 39.4
  Bottom Copper w20: R65C.2@2050.52,3441.26 C64C.1@2050.52,3480.63
SNUB2D: C64D.1 R65D.2 | length 39.4
  Bottom Copper w20: R65D.2@1996.41,4537.94 C64D.1@1996.41,4577.31
SNUB2E: C64E.1 R65E.2 | length 39.4
  Bottom Copper w20: C64E.1@1933.75,2112.49 R65E.2@1973.12,2112.49
SNUB3A: C69A.1 R72A.2 | length 35.8
  Bottom Copper w20: C69A.1@1959.98,-239.93 R72A.2@1995.75,-239.93
SNUB3B: C69B.1 R72B.2 | length 35.8
  Bottom Copper w20: C69B.1@1952.11,838.81 R72B.2@1987.88,838.82
SNUB3C: C69C.1 R72C.2 | length 35.8
  Bottom Copper w20: R72C.2@2311.74,3346.38 C69C.1@2347.52,3346.39
SNUB3D: C69D.1 R72D.2 | length 35.8
  Bottom Copper w20: R72D.2@2257.64,4443.06 C69D.1@2293.41,4443.07
SNUB3E: C69E.1 R72E.2 | length 35.8
  Bottom Copper w20: R72E.2@2068,2373.71 C69E.1@2067.99,2409.49